# Altium PCB WhiteRHINO_0v1.PcbDoc (part 9 of 10)
Units mm, origin at the board's own origin, x right, y up, seen from the top; angles counter-clockwise.
Board outline 120.2 x 121.5 mm, 12 copper layers (L1_Top Layer, L2_GND, L3_Critical, L4_Critical, L5_GND, L6_Power, L7_Non-Critical, L8_Power, L9_Critical, L10_Critical, L11_GND, L12_Bottom Layer), stack 1.414 mm thick; 837 components, 556 nets, 3237 pads, 1790 vias.
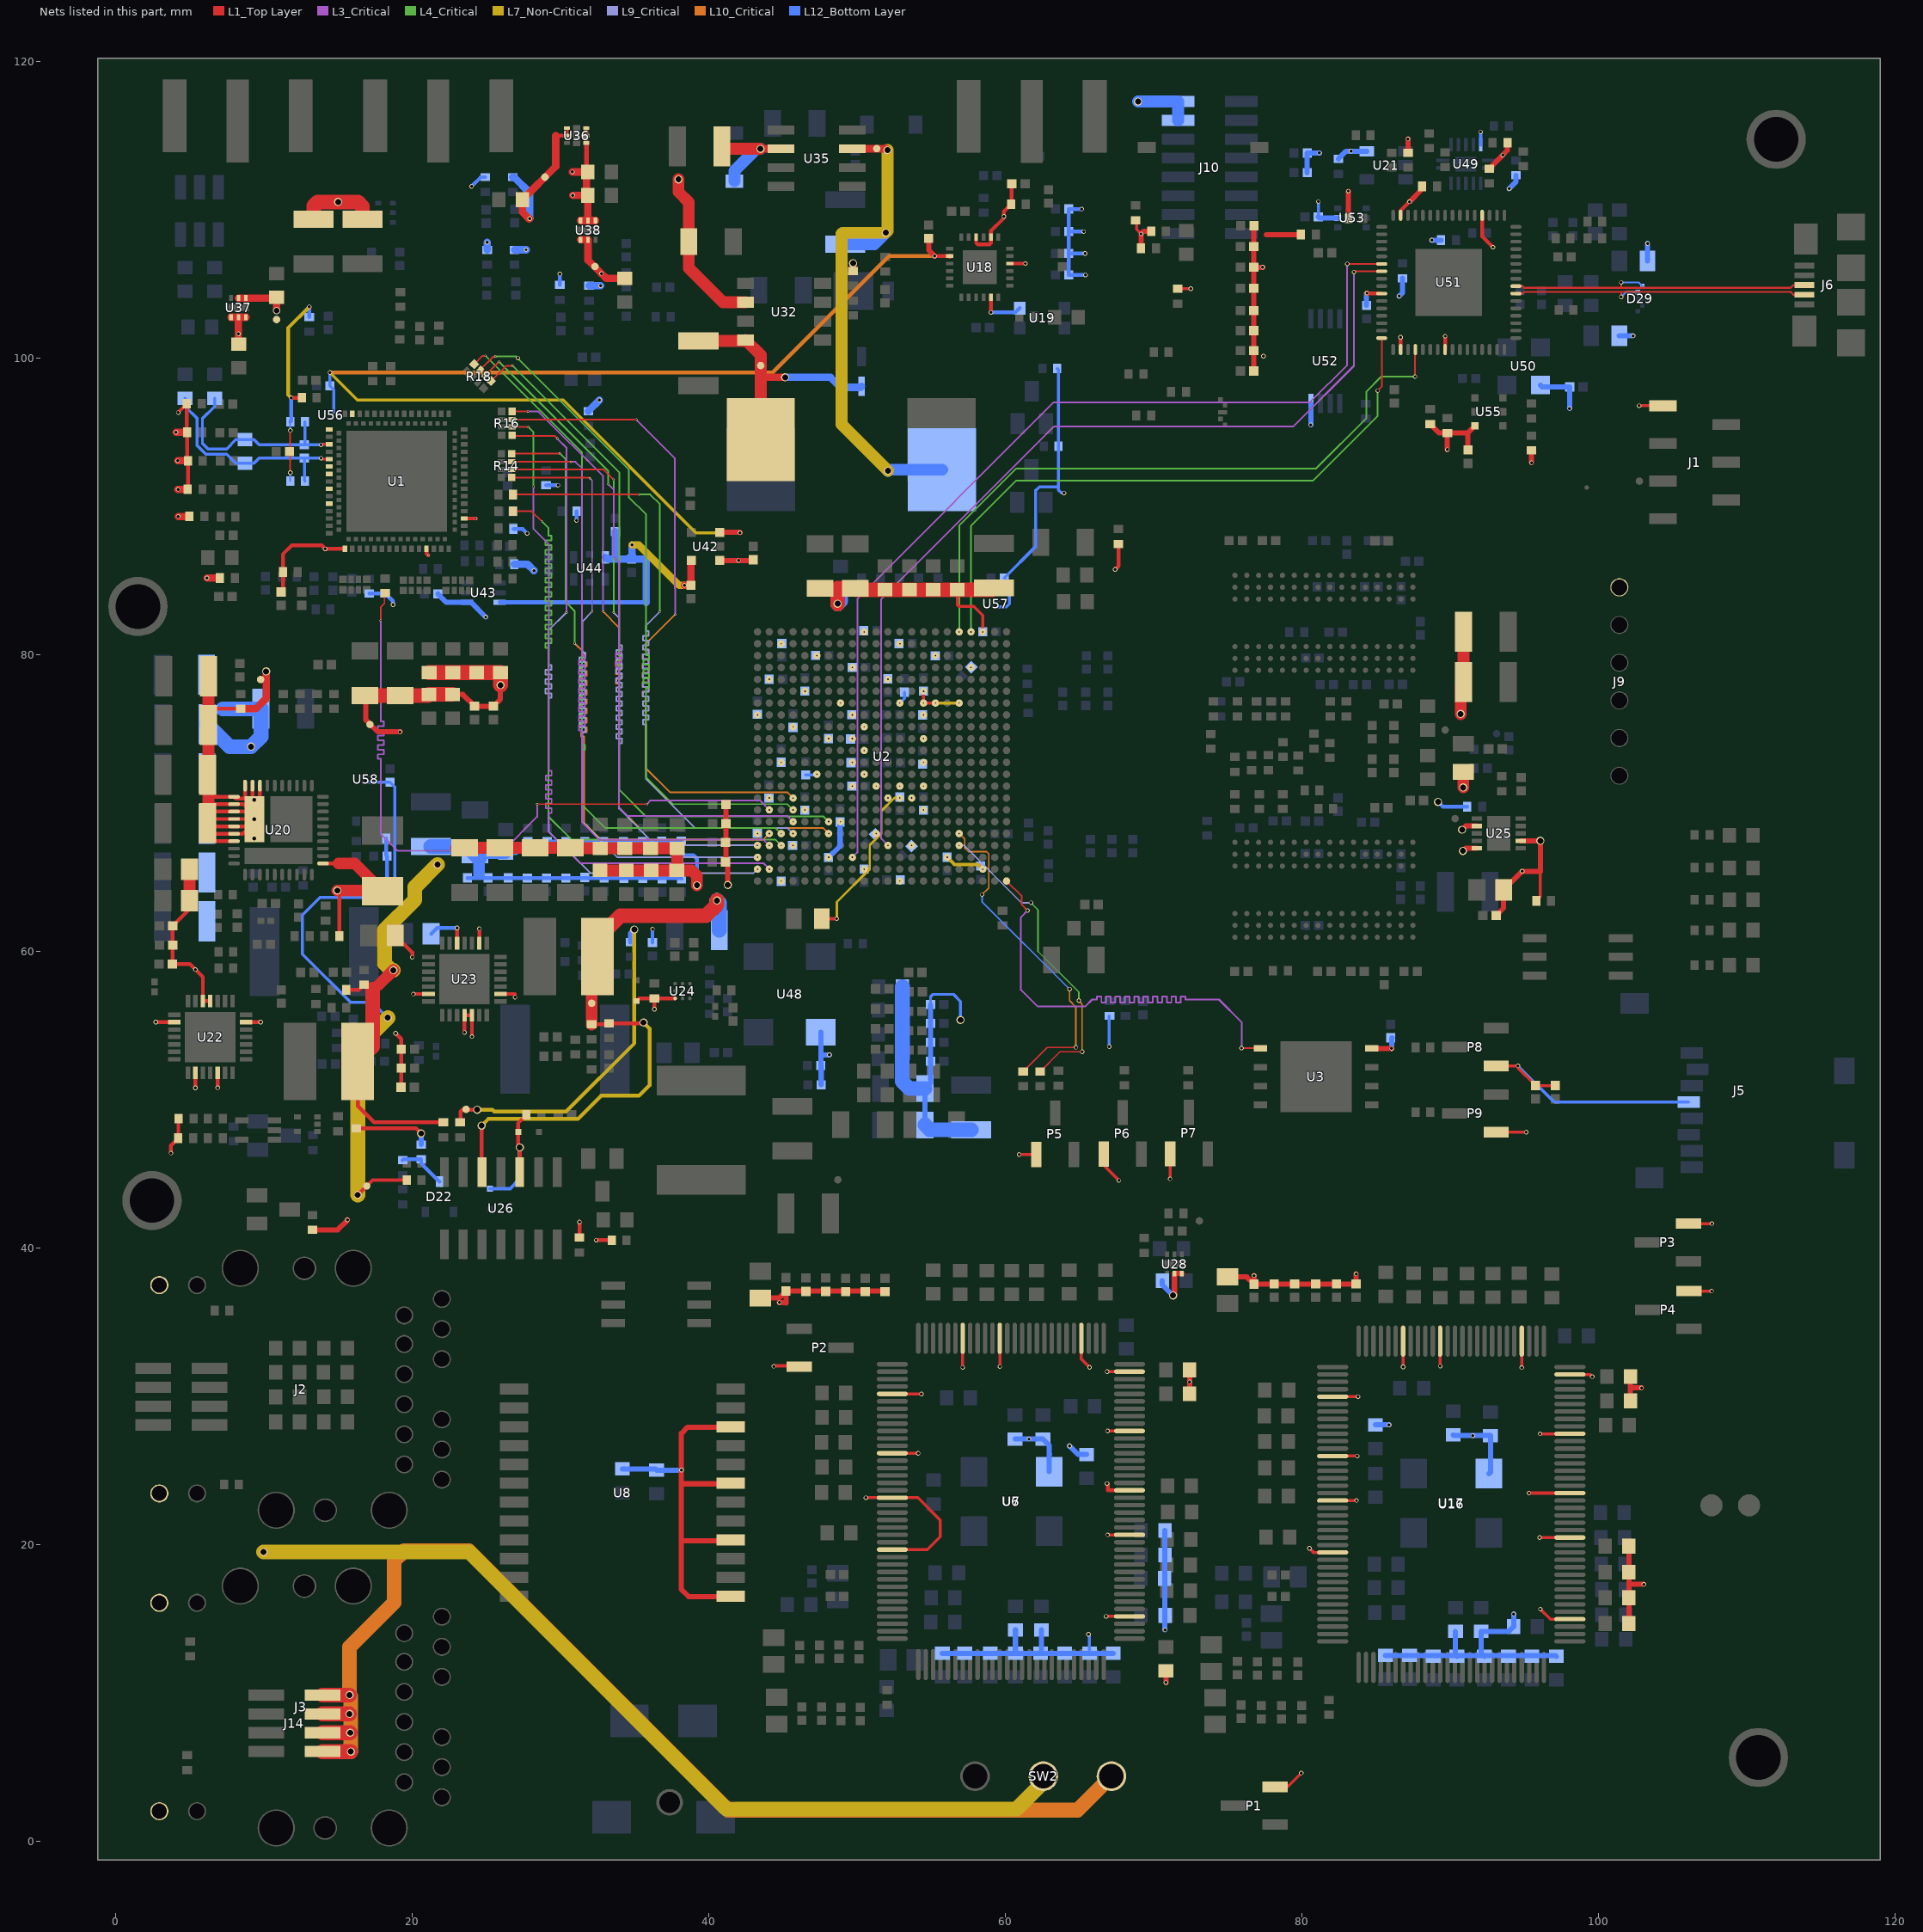
[diagram p19: the nets of this part, all layers, seen from the top]

## Via types
v1: diameter 0.15, hole 0.1, L1_Top Layer to L12_Bottom Layer, tented both sides, 705 vias
v2: diameter 0.3, hole 0.2, L1_Top Layer to L12_Bottom Layer, tented both sides, 589 vias
v3: diameter 0.3, hole 0.2, L1_Top Layer to L12_Bottom Layer, 145 vias
v4: diameter 0.55, hole 0.4, L1_Top Layer to L12_Bottom Layer, tented both sides, 89 vias
v5: diameter 0.15, hole 0.1, L1_Top Layer to L12_Bottom Layer, 73 vias
v6: diameter 0.4, hole 0.2, L1_Top Layer to L12_Bottom Layer, tented both sides, 61 vias
v7: diameter 0.66, hole 0.33, L1_Top Layer to L12_Bottom Layer, tented top, 41 vias
v8: diameter 0.3, hole 0.2, L1_Top Layer to L12_Bottom Layer, tented bottom, 27 vias
v9: diameter 0.55, hole 0.4, L1_Top Layer to L12_Bottom Layer, 20 vias
v10: diameter 0.5, hole 0.2, L1_Top Layer to L12_Bottom Layer, tented both sides, 16 vias
v11: diameter 0.5, hole 0.25, L1_Top Layer to L12_Bottom Layer, 13 vias
v12: diameter 0.4, hole 0.25, L1_Top Layer to L12_Bottom Layer, 9 vias
v13: diameter 0.5, hole 0.4, L1_Top Layer to L12_Bottom Layer, tented both sides, 1 vias
v14: diameter 0.55, hole 0.4, L1_Top Layer to L12_Bottom Layer, tented bottom, 1 vias

## Nets (pads, with @x,y where several pads share a name; then routed paths per layer and width w, separated by ;. In a path a pad name is that pad's centre, name@x,y a point inside that pad or via, vN(x,y) a via of type N, cw(c..) or ccw(c..) an arc to the next point about the centre after c; other vN are vias at no path point) (continued)
SPI_CS: U2.A1 U3.1 | length 34.9
  L1_Top Layer w0.115: U2.A1@60.104,64.714 61.125,63.693 61.125,63.125 v2(61.525,62.725) ; v8(75.95,53.45) 77.205,53.45 U3.1@77.225,53.43
  L3_Critical w0.115: v2(61.525,62.725) 61.075,62.275 61.075,57.375 62.2,56.25 65.4,56.25 65.875,56.725 66.025,56.725 66.182,56.725 66.182,56.925 66.497,56.925 66.497,56.725 66.497,56.525 66.813,56.525 66.813,56.725 66.813,56.925 67.128,56.925 67.128,56.725 67.128,56.525 67.443,56.525 67.443,56.725 67.443,56.925 67.758,56.925 67.758,56.725 67.758,56.525 68.073,56.525 68.073,56.725 68.073,56.925 68.388,56.925 68.388,56.725 68.388,56.525 68.703,56.525 68.703,56.725 68.703,56.925 69.018,56.925 69.018,56.725 69.018,56.525 69.333,56.525 69.333,56.725 69.333,56.925 69.648,56.925 69.648,56.725 69.648,56.525 69.963,56.525 69.963,56.725 69.963,56.925 70.278,56.925 70.278,56.725 70.278,56.525 70.593,56.525 70.593,56.725 70.593,56.925 70.908,56.925 70.908,56.725 70.908,56.525 71.223,56.525 71.223,56.725 71.223,56.925 71.538,56.925 71.538,56.725 71.538,56.525 71.853,56.525 71.853,56.725 71.853,56.925 72.168,56.925 72.168,56.725 72.35,56.725 74.425,56.725 75.95,55.2 v8(75.95,53.45)
TX_CLK: R8.2 U2.D20 | length 48.4
  L1_Top Layer w0.115: R8.2@26.825,89.65 28.075,89.65 v1(28.75,88.975) ; U2.D20@44.904,67.114 v1(44.911,67.114)
  L4_Critical w0.115: v1(28.75,88.975) 29.2,88.525 29.2,87.993 29.4,87.993 29.4,87.678 29,87.678 29,87.362 29.4,87.362 29.4,87.047 29,87.047 29,86.732 29.4,86.732 29.4,86.417 29,86.417 29,86.102 29.4,86.102 29.4,85.787 29,85.787 29,85.472 29.4,85.472 29.4,85.157 29,85.157 29,84.842 29.4,84.842 29.4,84.527 29,84.527 29,84.212 29.4,84.212 29.4,83.897 29,83.897 29,83.582 29.4,83.582 29.4,83.267 29,83.267 29,82.952 29.4,82.952 29.4,82.637 29,82.637 29,82.322 29.4,82.322 29.4,82.007 29,82.007 29,81.692 29.4,81.692 29.4,81.377 29,81.377 29,81.062 29.4,81.062 29.4,80.747 29,80.747 29,80.432 29.2,80.432 29.2,69.075 30.775,67.5 44.525,67.5 v1(44.911,67.114)
TX_EN: R12.2 U2.G21 | length 48.4
  L1_Top Layer w0.115: v1(17.9,82.275) 17.9,83.175 18.15,83.425 R12.2@18.15,84.125 ; v1(28.45,69.9) v1(35.85,69.9)
  L3_Critical w0.115: v1(17.9,82.275) 17.9,75.467 18.1,75.467 18.1,75.152 17.7,75.152 17.7,74.837 18.1,74.837 18.1,74.522 17.7,74.522 17.7,74.207 18.1,74.207 18.1,73.892 17.7,73.892 17.7,73.577 18.1,73.577 18.1,73.262 17.7,73.262 17.7,72.947 17.9,72.947 17.9,67.9 19.05,66.75 26.15,66.75 28.45,69.05 v1(28.45,69.9) ; v1(35.85,69.9) 36.1,70.15 43.468,70.15 v1(44.104,69.514)
TX_IQ_SEL: R10.2 U2.E19 | length 48.6
  L1_Top Layer w0.115: R10.2@26.825,90.775 v1(35.3,90.775)
  L4_Critical w0.115: v1(35.3,90.775) 36.075,90.775 36.725,90.125 v1(36.725,82.875)
  L9_Critical w0.115: v1(36.725,82.875) 35.8,81.95 35.775,81.95 35.775,81.568 35.975,81.568 35.975,81.252 35.575,81.252 35.575,80.937 35.975,80.937 35.975,80.622 35.575,80.622 35.575,80.307 35.975,80.307 35.975,79.992 35.575,79.992 35.575,79.677 35.975,79.677 35.975,79.362 35.575,79.362 35.575,79.047 35.975,79.047 35.975,78.732 35.575,78.732 35.575,78.417 35.975,78.417 35.975,78.102 35.575,78.102 35.575,77.787 35.975,77.787 35.975,77.472 35.575,77.472 35.575,77.157 35.975,77.157 35.975,76.842 35.575,76.842 35.575,76.527 35.975,76.527 35.975,76.212 35.575,76.212 35.575,75.897 35.975,75.897 35.975,75.582 35.575,75.582 35.575,75.267 35.775,75.267 35.775,71.6 39.075,68.3 45.318,68.3 v1(45.704,67.914)
TXD00: R14.1 U2.C22 | length 48.4
  L1_Top Layer w0.115: R14.1@26.725,91.925 31.95,91.925 v1(32,91.875)
  L3_Critical w0.115: v1(32,91.875) 32.15,91.725 v1(32.15,82.875)
  L9_Critical w0.115: v1(32.15,82.875) 31.5,82.225 31.5,80.118 31.7,80.118 31.7,79.802 31.3,79.802 31.3,79.487 31.7,79.487 31.7,79.172 31.3,79.172 31.3,78.857 31.7,78.857 31.7,78.542 31.3,78.542 31.3,78.227 31.7,78.227 31.7,77.912 31.3,77.912 31.3,77.597 31.7,77.597 31.7,77.282 31.3,77.282 31.3,76.967 31.7,76.967 31.7,76.652 31.3,76.652 31.3,76.337 31.7,76.337 31.7,76.022 31.3,76.022 31.3,75.707 31.7,75.707 31.7,75.392 31.3,75.392 31.3,75.077 31.7,75.077 31.7,74.762 31.5,74.762 31.5,68.675 33.861,66.314 v1(43.304,66.314)
TXD01: R14.2 U2.D22 | length 48.4
  L1_Top Layer w0.115: R14.2@26.725,92.475 27.775,92.475 ; 27.65,92.475 32.9,92.475 v1(33.6,91.775)
  L4_Critical w0.115: v1(33.6,82.825) v1(33.6,91.775)
  L9_Critical w0.115: v1(33.6,82.825) 33.975,82.45 33.975,80.617 34.175,80.617 34.175,80.302 33.775,80.302 33.775,79.987 34.175,79.987 34.175,79.672 33.775,79.672 33.775,79.357 34.175,79.357 34.175,79.042 33.775,79.042 33.775,78.727 34.175,78.727 34.175,78.412 33.775,78.412 33.775,78.097 34.175,78.097 34.175,77.782 33.775,77.782 33.775,77.467 34.175,77.467 34.175,77.152 33.775,77.152 33.775,76.837 34.175,76.837 34.175,76.522 33.775,76.522 33.775,76.207 34.175,76.207 34.175,75.892 33.775,75.892 33.775,75.577 34.175,75.577 34.175,75.262 33.775,75.262 33.775,74.947 34.175,74.947 34.175,74.632 33.775,74.632 33.775,74.317 34.175,74.317 34.175,74.002 33.975,74.002 33.975,69.6 36.45,67.125 v1(43.3,67.125)
TXD02: R14.3 U2.D21 | length 48.5
  L1_Top Layer w0.115: R14.3@26.725,92.975 27.675,92.975 v1(30.725,92.975)
  L3_Critical w0.115: v1(30.725,92.975) 31.025,92.975 31.475,92.525 31.475,79.918 31.675,79.918 31.675,79.603 31.275,79.603 31.275,79.287 31.675,79.287 31.675,78.972 31.275,78.972 31.275,78.657 31.675,78.657 31.675,78.342 31.275,78.342 31.275,78.027 31.675,78.027 31.675,77.712 31.275,77.712 31.275,77.397 31.675,77.397 31.675,77.082 31.275,77.082 31.275,76.767 31.675,76.767 31.675,76.452 31.275,76.452 31.275,76.137 31.675,76.137 31.675,75.822 31.275,75.822 31.275,75.507 31.675,75.507 31.675,75.192 31.275,75.192 31.275,74.877 31.475,74.877 31.475,68.675 32.65,67.5 43.718,67.5 v1(44.104,67.114)
TXD03: R14.4 U2.E21 | length 48.4
  L1_Top Layer w0.115: R14.4@26.725,93.525 29.95,93.525 v1(29.975,93.55)
  L4_Critical w0.115: v1(29.975,93.55) 30.375,93.15 30.375,83.525 30.977,82.923 v1(30.977,80.75)
  L10_Critical w0.115: v1(30.977,80.75) 31.6,80.127 31.6,79.493 31.8,79.493 31.8,79.177 31.4,79.177 31.4,78.862 31.8,78.862 31.8,78.547 31.4,78.547 31.4,78.232 31.8,78.232 31.8,77.917 31.4,77.917 31.4,77.602 31.8,77.602 31.8,77.287 31.4,77.287 31.4,76.972 31.8,76.972 31.8,76.657 31.4,76.657 31.4,76.342 31.8,76.342 31.8,76.027 31.4,76.027 31.4,75.712 31.8,75.712 31.8,75.397 31.4,75.397 31.4,75.082 31.8,75.082 31.8,74.767 31.4,74.767 31.4,74.452 31.6,74.452 31.6,68.65 32.75,67.5 43.69,67.5 v1(44.104,67.914)
TXD04: R16.1 U2.B22 | length 48.6
  L1_Top Layer w0.115: R16.1@26.75,94.775 26.8,94.725 29.625,94.725 v1(29.8,94.55)
  L3_Critical w0.115: v1(29.8,94.55) 30.425,93.925 v1(30.425,82.825)
  L9_Critical w0.115: v1(30.425,82.825) 29.2,81.6 29.2,79.267 29.4,79.267 29.4,78.952 29,78.952 29,78.637 29.4,78.637 29.4,78.322 29,78.322 29,78.007 29.4,78.007 29.4,77.692 29,77.692 29,77.377 29.4,77.377 29.4,77.062 29.2,77.062 29.2,68.075 32.025,65.25 43.04,65.25 v1(43.304,65.514)
TXD05: R16.2 U2.B21 | length 48.5
  L1_Top Layer w0.115: R16.2@26.75,95.325 v1(27.85,95.325) ; U2.B21@44.104,65.514 v1(44.111,65.514)
  L3_Critical w0.115: v1(28.2,91.3) 28.2,88.45 29.225,87.425 29.225,72.142 29.425,72.142 29.425,71.827 29.025,71.827 29.025,71.512 29.425,71.512 29.425,71.197 29.025,71.197 29.025,70.882 29.425,70.882 29.425,70.567 29.025,70.567 29.025,70.252 29.425,70.252 29.425,69.937 29.025,69.937 29.025,69.622 29.425,69.622 29.425,69.307 29.225,69.307 29.225,68.05 31.35,65.925 43.7,65.925 v1(44.111,65.514)
  L4_Critical w0.115: v1(27.85,95.325) 28.2,94.975 v1(28.2,91.3)
TXD06: R16.3 U2.H19 | length 48.6
  L1_Top Layer w0.115: R16.3@26.75,95.825 v1(35.125,95.825) ; v1(45.704,70.304) U2.H19@45.704,70.314
  L3_Critical w0.115: v1(35.125,95.825) 37.718,93.233 37.718,84.44 37.75,84.408 v1(37.75,82.675)
  L10_Critical w0.115: v1(37.75,82.675) 35.75,80.675 35.75,80.318 35.95,80.318 35.95,80.002 35.55,80.002 35.55,79.687 35.95,79.687 35.95,79.372 35.55,79.372 35.55,79.057 35.95,79.057 35.95,78.742 35.55,78.742 35.55,78.427 35.95,78.427 35.95,78.112 35.55,78.112 35.55,77.797 35.95,77.797 35.95,77.482 35.55,77.482 35.55,77.167 35.75,77.167 35.75,72.35 37.4,70.7 45.308,70.7 v1(45.704,70.304)
TXD07: R16.4 U2.E16 | length 48
  L1_Top Layer w0.115: R16.4@26.75,96.375 v1(27.825,96.375) ; U2.E16@48.104,67.914 v1(48.114,67.914)
  L3_Critical w0.115: v1(27.825,96.375) 28.535,96.375 32.9,92.01 v1(32.9,82.875)
  L10_Critical w0.115: v1(32.9,82.875) 33.95,81.825 33.95,79.92 34.15,79.92 34.15,79.605 33.75,79.605 33.75,79.29 34.15,79.29 34.15,78.975 33.75,78.975 33.75,78.66 34.15,78.66 34.15,78.345 33.75,78.345 33.75,78.03 33.95,78.03 33.95,69.7 35.35,68.3 47.728,68.3 v1(48.114,67.914)
TXD08: R18.1 U2.F16 | length 48.5
  L1_Top Layer w0.115: R18.1@25.338,98.432 26.369,99.463 v1(26.788,99.463) ; U2.F16@48.104,68.714 v1(48.104,68.721)
  L4_Critical w0.115: v1(26.788,99.463) 34,92.25 34,70.85 35.775,69.075 47.75,69.075 v1(48.104,68.721)
TXD09: R18.2 U2.F19 | length 48.4
  L1_Top Layer w0.115: R18.2@24.949,98.821 24.971,98.821 v1(25.875,99.725) ; U2.F19@45.704,68.714 v1(45.711,68.714)
  L3_Critical w0.115: v1(33.25,91.475) 33.6,91.125 33.6,86.6 33.95,86.25 33.95,80.393 34.15,80.393 34.15,80.078 33.75,80.078 33.75,79.762 34.15,79.762 34.15,79.447 33.75,79.447 33.75,79.132 33.95,79.132 33.95,69.7 34.55,69.1 45.325,69.1 v1(45.711,68.714)
  L4_Critical w0.115: v1(25.875,99.725) 33.25,92.35 v1(33.25,91.475)
TXD10: R18.3 U2.G19 | length 48.4
  L1_Top Layer w0.115: R18.3@24.596,99.174 25.496,100.075 v1(25.625,100.075) ; v1(45.704,69.504) U2.G19@45.704,69.514
  L4_Critical w0.115: v1(25.625,100.075) 27.021,100.075 34.621,92.475 34.621,90.604 35.8,89.425 35.8,79.942 36,79.942 36,79.627 35.6,79.627 35.6,79.312 36,79.312 36,78.997 35.6,78.997 35.6,78.682 36,78.682 36,78.367 35.6,78.367 35.6,78.052 36,78.052 36,77.737 35.8,77.737 35.8,71.7 37.6,69.9 45.308,69.9 v1(45.704,69.504)
  other v3: 27.15,99.975
TXD11: R18.4 U2.E20 | length 48.6
  L1_Top Layer w0.115: R18.4@24.207,99.563 24.769,100.125 v1(24.95,100.125) ; v1(44.904,67.904) U2.E20@44.904,67.914
  L4_Critical w0.115: v1(24.95,100.125) 27.388,97.688 31.475,93.6 31.475,73.892 31.675,73.892 31.675,73.577 31.475,73.577 31.475,69.85 33.025,68.3 44.508,68.3 v1(44.904,67.904)
TXIN_I_N: U1.51
TXIN_I_P: U1.52
TXIN_Q_N: U1.56
TXIN_Q_P: U1.54
TXOUT1_N: C437.1 C441.2 L15.1 L17.2 U1.48 | length 14.1
  L1_Top Layer w0.199: v2(13.875,94.125) 13.912,94.162 U1.48@14.431,94.162
  L12_Bottom Layer w0.199: C437.1@6.7,97.275 6.7,96.713 5.875,95.888 5.875,94.225 6.25,93.85 7.502,93.85 8.127,94.475 L17.2@8.75,94.475 9.352,94.475 9.702,94.125 C441.2@12.75,94.125 ; L15.1@12.8,95.675 12.8,94.175 C441.2@12.75,94.125 ; v2(13.875,94.125) C441.2@12.75,94.125
TXOUT1_P: C441.1 C442.1 L14.1 L17.1 U1.50 | length 14.7
  L1_Top Layer w0.199: v2(13.875,93.225) 13.938,93.162 U1.50@14.431,93.162
  L12_Bottom Layer w0.199: C442.1@4.7,97.275 4.7,96.713 5.525,95.888 5.525,94.08 6.105,93.5 7.502,93.5 8.127,92.875 L17.1@8.75,92.875 9.352,92.875 9.702,93.225 C441.1@12.75,93.225 ; L14.1@12.8,91.675 12.75,91.725 C441.1@12.75,93.225 ; v2(13.875,93.225) C441.1@12.75,93.225
TXOUT2_N: U1.44
TXOUT2_P: U1.46
UART_0_RXD: U2.D11 U51.39 | length 63.4
  L1_Top Layer w0.115: v2(83.525,105.775) 83.575,105.825 U51.39@85.4,105.825
  L3_Critical w0.115: v1(52.104,67.114) 51.65,67.568 51.65,83.725 63.3,95.375 79.45,95.375 83.525,99.45 v2(83.525,105.775)
UART_0_TXD: U2.C14 U51.38 | length 66.3
  L1_Top Layer w0.115: v2(83.075,106.325) U51.38@85.4,106.325
  L3_Critical w0.115: v1(49.704,66.314) 50.037,66.647 50.037,83.738 63.287,96.988 80.563,96.988 83.075,99.5 v2(83.075,106.325)
UART_1_RXD: U2.AB5 U51.52 | length 45
  L1_Top Layer w0.115: v2(87.65,98.725) 87.65,100.525 U51.52@87.675,100.55
  L4_Critical w0.115: v1(56.904,81.514) 56.904,88.675 60.754,92.525 80.975,92.525 84.375,95.925 84.375,97.725 85.375,98.725 v2(87.65,98.725)
UART_1_TXD: U2.AB4 U51.48 | length 43
  L1_Top Layer w0.115: v2(85.125,97.775) 85.4,98.05 U51.48@85.4,101.325
  L4_Critical w0.115: v1(57.704,81.514) 57.704,88.675 60.754,91.725 80.775,91.725 85.125,96.075 v2(85.125,97.775)
USB_JTAG_D_N: D29.2 J6.2 U51.7 | length 21.2
  L1_Top Layer w0.13: U51.7@94.45,104.325 94.906,104.325 95.016,104.434 101.55,104.434 ; v8(101.55,104.1) 101.55,104.434 ; J6.2@113.9,104.25 113.157,104.25 112.973,104.434 101.55,104.434
  L12_Bottom Layer w0.13: v8(101.55,104.1) 101.875,104.425 D29.2@102.675,104.425
USB_JTAG_D_P: D29.3 J6.3 U51.8 | length 21.5
  L1_Top Layer w0.13: U51.8@94.45,104.825 94.906,104.825 95.016,104.715 101.55,104.715 ; v8(101.55,105.075) 101.55,104.715 ; J6.3@113.9,104.9 113.157,104.9 112.973,104.715 101.55,104.715
  L12_Bottom Layer w0.13: v8(101.55,105.075) 102.725,105.075 D29.3@102.975,104.825
VADJ: C15.2 C16.2 C17.2 C18.2 C19.2 C20.2 C21.2 C22.2 C23.2 C24.2 C25.2 C26.2 C27.2 C39.2 C40.2 C41.2 C42.2 C43.2 C44.2 C45.2 C46.2 C47.2 C48.2 C49.2 C50.2 C51.2 C334.2 C335.2 C431.1 L7.2 pad.@17.175,75.275 R206.2 R208.2 R230.1 U2.A20 U2.C16 U2.D19 U2.E22 U2.F15 U2.G18 U2.H21 U2.K17 U2.L20 U2.N16 U2.P19 U2.R22 U2.T15 U43.1 | length 66
  L1_Top Layer w0.2: U2.P19@45.704,75.114 v1(45.711,75.114)
  L1_Top Layer w0.254: R206.2@15.575,57.375 16.425,57.375 R208.2@16.775,57.725 ; L7.2@16.35,52.55 16.35,49.55 17.45,48.45 R230.1@22.125,48.45
  L1_Top Layer w0.35: R208.2@16.775,57.725 17.775,57.725 ; C15.2@16.825,77.225 16.9,77.15 16.9,75.575 17.7,74.775 v3(19.2,74.775) ; C18.2@22.75,77.3 23.425,77.3 C43.2@24.225,76.5 C19.2@25.5,76.5 25.975,76.975 v4(25.975,77.925) ; C44.2@41.175,69.875 C46.2@41.175,68.6 41.175,66.025 C20.2@41.15,66 41.3,65.85 v4(41.3,64.45)
  L1_Top Layer w0.8: 17.775,57.725 v4(18.75,58.7)
  L1_Top Layer w1: C334.2@13.375,109.325 13.375,110.225 13.65,110.5 v4(15.025,110.5) 16.35,110.5 16.661,110.189 C335.2@16.661,109.333 ; L7.2@16.35,52.55 17.35,53.55 17.35,57.425 ; C15.2@16.825,77.225 21.075,77.225 C17.2@21.15,77.3 C18.2@22.75,77.3 ; C42.2@21.166,78.772 21.169,78.775 C16.2@25.975,78.775 v4(25.975,77.925)
  L7_Non-Critical w1: v4(18.75,58.7) 18.614,58.7 18.15,59.164 18.15,61.4 20.2,63.45 20.2,64.3 v4(21.725,65.825)
  L12_Bottom Layer w0.2: C26.2@46.55,71.875 47.265,71.875 v1(47.304,71.914)
  L12_Bottom Layer w0.35: C431.1@21.75,84.075 22.325,83.5 U43.1@23.725,83.5 23.995,83.5 v2(24.975,82.52) ; C23.2@48.1,66.3 48.875,67.075 C25.2@48.875,68.7
  other v1: 44.904,64.714 48.104,66.314 45.704,67.114 43.304,67.914 46.504,69.514 44.104,70.314 44.904,72.714 48.104,74.314 43.304,75.914 48.904,76.714
  other v5: 48.904,68.714
VCC1V0: C9.2 C10.2 C11.2 C12.2 C13.2 C14.2 C120.2 C121.2 C122.2 C123.2 C124.2 C125.2 C126.2 C127.2 C128.2 C129.2 C130.2 C131.2 C132.2 C133.2 C134.2 C135.2 C136.2 C137.2 C138.2 C139.2 C140.2 C141.2 C142.2 C143.2 C144.2 C145.2 C146.2 C147.2 C148.2 C149.2 C150.2 C151.2 C152.2 C153.2 C154.2 C155.2 C351.2 C352.2 L9.2 pad.@32.125,56.475 R215.2 R217.2 U2.G8 U2.H9 U2.H11 U2.J8 U2.J10 U2.J12 U2.J14 U2.K13 U2.L8 U2.L14 U2.M13 U2.N8 U2.N14 U2.P13 U2.R8 U2.R14 U26.5 | length 103.1
  L1_Top Layer w0.254: v4(24.7,48.225) 24.7,45.105 U26.5@24.73,45.075 ; R215.2@32.125,55.05 33.225,55.05 R217.2@33.3,55.125 35.575,55.125 v4(35.625,55.175)
  L1_Top Layer w0.8: C154.2@23.009,66.953 C142.2@30.684,66.953 30.712,66.925 C147.2@32.7,66.925 37.888,66.925 C143.2@37.891,66.922 37.891,65.46 C146.2@37.859,65.428 ; R215.2@32.125,55.05 32.125,59.225 L9.2@32.525,59.625 ; C152.2@32.686,65.428 C151.2@34.447,65.428 C145.2@36.134,65.428 C146.2@37.859,65.428 ; v4(39.225,64.425) 39.225,65.075 38.872,65.428 C146.2@37.859,65.428
  L1_Top Layer w1: L9.2@32.525,59.625 32.525,60.836 34.064,62.375 39.825,62.375 40.575,63.125 v4(40.575,63.4)
  L7_Non-Critical w0.254: v4(24.7,48.225) 25.15,48.675 31.2,48.675 32.762,50.238 35.312,50.238 36.025,50.95 36.025,54.775 v4(35.625,55.175)
  L12_Bottom Layer w0.254: C14.2@23.75,64.925 23.753,64.922 C139.2@27.784,64.922 C138.2@29.084,64.922 C124.2@30.384,64.922 38.128,64.922 C155.2@38.166,64.884 ; C9.2@26.325,66.6 27.038,66.6 C126.2@27.816,67.378 C127.2@29.116,67.378 C128.2@30.391,67.378 C134.2@31.666,67.378 C135.2@32.941,67.378 C136.2@34.266,67.378 C137.2@35.541,67.378 38.141,67.378 C123.2@38.166,67.403 38.166,66.459 ; C155.2@38.175,64.875 C155.2@38.166,64.884 ; v4(39.225,64.425) 39.225,66.225 38.991,66.459 38.166,66.459 ; C155.2@38.166,64.884 38.166,66.459
  L12_Bottom Layer w0.8: 24.525,65.175 C10.2@24.525,66.225 ; C10.2@24.525,66.6 C9.2@26.325,66.6
  L12_Bottom Layer w1: C351.2@21.275,67.05 23.7,67.05 C10.2@24.25,66.5 C10.2@24.525,66.225 ; v4(40.575,63.4) 40.725,63.25 C352.2@40.725,61.4
  other v1: 54.504,69.514 52.104,70.314 53.704,70.314 49.704,71.114 51.304,71.114 52.904,71.114 54.504,71.114 50.504,71.914 49.704,72.714 54.504,72.714 50.504,73.514 49.704,74.314 54.504,74.314 50.504,75.114 49.704,75.914 54.504,75.914
VCC1V5: C343.2 C344.2 FB2.1 pad.@23.65,49.325 R31.1 R211.2 R225.1 R234.1 | length 33.7
  L1_Top Layer w0.254: R234.1@23.25,48.45 23.275,48.475 23.275,49.175 23.4,49.3 v4(24.4,49.3) ; v2(67.425,85.725) 67.65,85.95 R31.1@67.65,87.45
  L1_Top Layer w0.8: v4(90.725,75.975) 90.725,77.925 C344.2@90.925,78.125 C343.2@90.925,81.525 ; v4(90.9,71.025) FB2.1@90.9,72.075
  L7_Non-Critical w0.254: v4(24.4,49.3) 25.425,49.3 25.55,49.175 30.4,49.175 35,53.775 v4(35,61.45)
  L12_Bottom Layer w0.254: v4(89.2,70.05) 89.525,69.725 R225.1@91.175,69.725
  L12_Bottom Layer w0.35: R211.2@34.75,60.6 34.75,61.2 v4(35,61.45)
VCC3V3: C59.2 C60.2 C61.2 C62.2 C63.2 C64.2 C65.2 C66.2 C67.2 C68.2 C69.2 C70.2 C71.2 C72.2 C73.2 C74.2 C75.2 C76.2 C77.2 C78.2 C79.2 C80.2 C81.2 C82.2 C83.2 C84.2 C85.2 C86.2 C87.2 C88.2 C89.2 C90.2 C91.2 C92.2 C93.2 C94.2 C95.2 C96.2 C97.2 C98.2 C99.2 C157.2 C200.2 C201.1 C202.2 C203.2 C204.2 C205.2 C240.2 C241.2 C242.2 C243.2 C244.2 C245.2 C246.2 C262.2 C263.1 C264.2 C265.2 C266.2 C267.2 C268.2 C269.2 C270.2 C271.2 C272.2 C288.1 C326.2 C327.2 C363.2 C365.2 C372.2 C426.2 C454.2 C455.2 C457.1 C458.1 C462.2 C463.2 C464.2 C465.2 C466.2 C467.2 C468.2 C469.2 C471.2 C472.2 C473.2 C474.2 C475.2 C476.2 C485.2 C486.2 C487.2 FB27.1 FB28.1 J1.1 J2.14 J2.16 J3.14 J3.16 J5.4 J9.6 P1.3 P2.3 P3.3 P4.3 P5.1 P6.1 P7.1 P8.1 P9.1 pad.@16.95,44.15 R29.2 R30.2 R32.2 R34.2 R66.1 R67.2 R68.2 R75.1 R80.1 R81.1 R82.1 R90.1 R101.2 R102.2 R103.2 R104.2 R105.2 R106.2 R107.2 R108.2 R145.1 R146.2 R147.2 R154.1 R159.1 R160.1 R161.1 R169.1 R180.2 R181.2 R182.2 R183.2 R184.2 R185.2 R186.2 R187.2 R194.2 R202.2 R229.2 R233.1 R236.2 R249.2 R250.2 R281.2 R283.2 R284.2 R288.2 R293.2 R297.2 R299.2 R300.2 R302.2 R303.2 R304.2 R305.2 R306.2 R307.2 R308.2 U2.A10 U2.AA10 U2.AA20 U2.AB3 U2.AB13 U2.B3 U2.B13 U2.C6 U2.D9 U2.E12 U2.T5 U2.T7 U2.T8 U2.T10 U2.U8 U2.U18 U2.V11 U2.V21 U2.W4 U2.W14 U2.Y7 U2.Y17 U3.8 U6.4 U6.15 U6.21 U6.29 U6.37 U6.42 U6.53 U6.58 U6.69 U6.77 U6.83 U6.90 U7.4 U8.1 U8.4 U8.7 U8.10 U16.4 U16.15 U16.21 U16.29 U16.37 U16.42 U16.53 U16.58 U16.69 U16.77 U16.83 U16.90 U17.4 U18.8 U21.5 U25.2 U25.7 U25.10 U28.5 U28.6 U42.1 U42.3 U48.4 U49.14 U50.4 U51.20 U51.31 U51.42 U51.50 U51.56 U52.8 U53.5 U55.6 U56.A1 U57.A1 U58.A1 | length 484.3